# Altium PCB QAM16.PcbDoc (part 2 of 2)
Units mil, origin at the board's own origin, x right, y up, seen from the top; angles counter-clockwise.
Board outline 2913.39 x 1339.29 mil, 4 copper layers (Top Layer, MidLayer1, MidLayer2, Bottom Layer), stack 61.2 mil thick; 129 components, 99 nets, 457 pads, 177 vias.
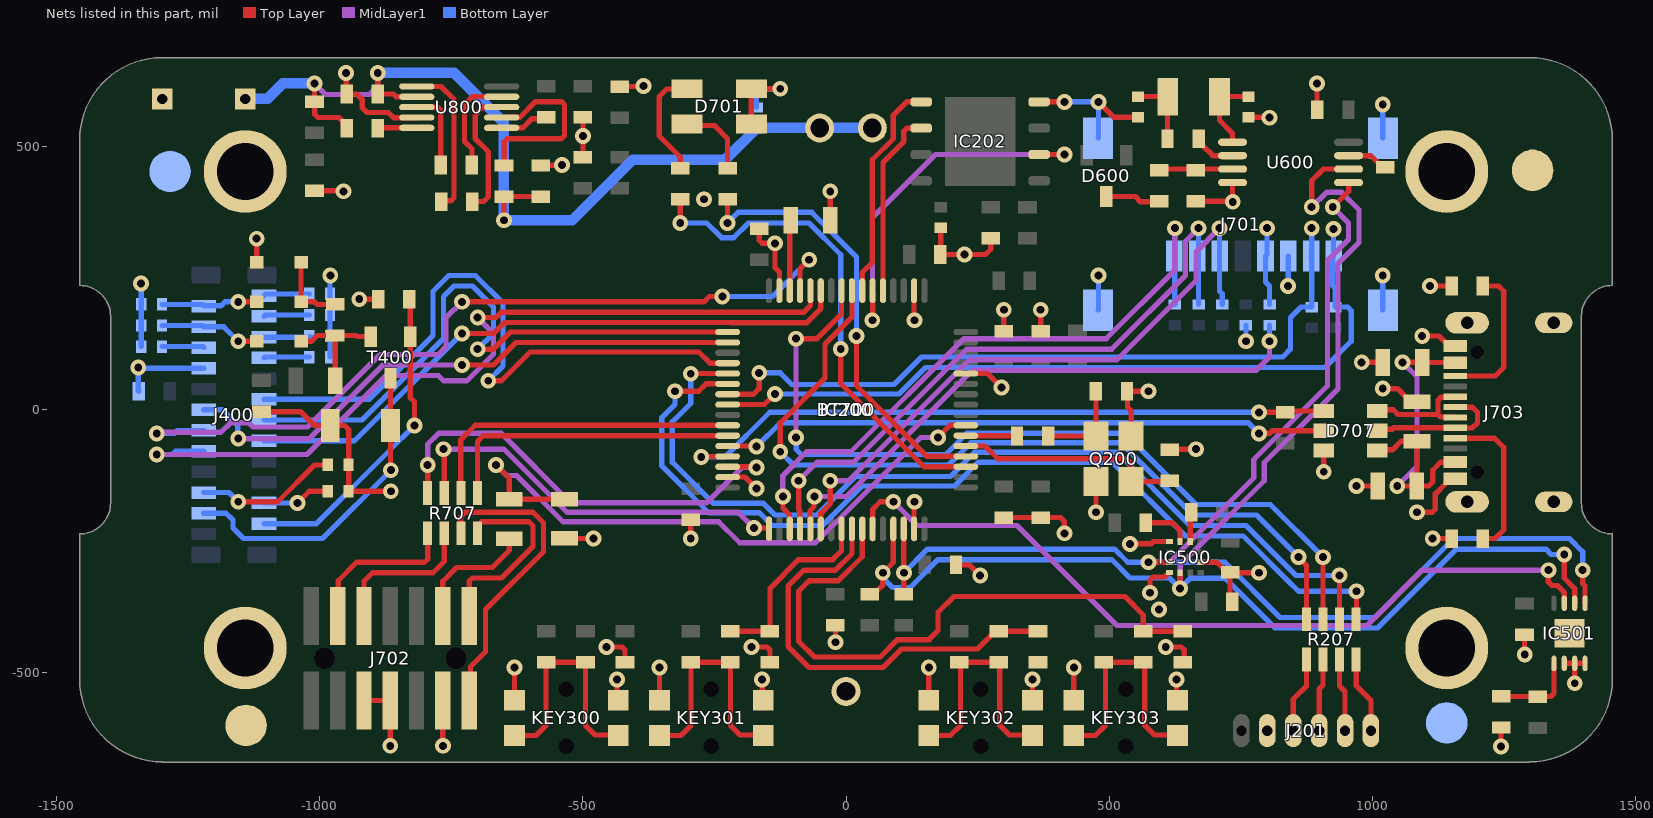
[diagram p4: the nets of this part, all layers, seen from the top]

## Via types
v1: diameter 30, hole 15, Top Layer to Bottom Layer, tented both sides, 177 vias

## Nets (pads, with @x,y where several pads share a name; then routed paths per layer and width w, separated by ;. In a path a pad name is that pad's centre, name@x,y a point inside that pad or via, vN(x,y) a via of type N, cw(c..) or ccw(c..) an arc to the next point about the centre after c; other vN are vias at no path point) (continued)
BTN2: C301.1 IC200.56 R305.2 | length 363.8
  Top Layer w10: R305.2@-220,-420.94 C301.1@-145,-420.94 -144.54,-420.48 -144.54,-339.54 -90,-285 -25.42,-285 -8.46,-268.04 IC200.56@-8.46,-226.54
BTN3: C302.1 IC200.57 R306.2 | length 829
  Top Layer w10: IC200.57@11.22,-226.54 11.22,-273.81 -19.97,-305 -80,-305 -110,-335 -110,-450 -70,-490 70,-490 72,-488 72.46,-488 105.46,-455 250.04,-455 284.09,-420.94 C302.1@365,-420.94
BTN4: C303.1 IC200.58 R307.2 | length 1152.1
  Top Layer w10: IC200.58@30.91,-226.54 30.91,-279.58 -14.4,-324.89 -69.89,-324.89 -90,-345 -90,-440 -60,-470 65,-470 98,-437 158,-437 175,-420 175,-385 205,-355 530,-355 565,-390 R307.2@565,-420.94 C303.1@640,-420.94
DISP_BUSY: IC200.28 J400.9 | length 1571.6
  Top Layer w10: v1(-700,175) -665.46,175 -655.46,185 -80.46,185 -67.52,197.94 IC200.28@-67.52,226.22
  MidLayer1 w10: v1(-1310,-85) -1024.49,-85 -874.49,65 -775,65 -765,55 -720.4,55 -670,105.4 -670,145 v1(-700,175)
  Bottom Layer w10: v1(-1310,-85) -1280,-85 -1273.74,-78.74 J400.9@-1220.47,-78.74
DISP_CS: IC200.33 J400.12 | length 1185.8
  Top Layer w10: v1(-700,115) -670,115 -637.52,147.48 IC200.33@-225,147.48
  Bottom Layer w10: J400.12@-1106.3,-19.69 -920.14,-19.69 -765,135.46 -765,215 -745,235 -710,235 -670,195 -670,145 v1(-700,115)
DISP_DC: IC200.29 J400.11 | length 1573.3
  Top Layer w10: v1(-730,205) -270,205 -260,215 v1(-235,215) ; IC200.29@-87.2,226.22 -87.2,267.8 v1(-70,285)
  MidLayer1 w10: v1(-1310,-45) -1308,-43 -1188,-43 -1170,-25 -1135,-25 -1127,-33 -1023.4,-33 -885.4,105 -775,105 -760,120 -760,175 v1(-730,205)
  Bottom Layer w10: v1(-1310,-45) -1276.26,-45 -1270.63,-39.37 J400.11@-1220.47,-39.37 ; v1(-235,215) -140,215 v1(-70,285)
DISP_RST: IC200.27 J400.10 | length 1197
  Top Layer w10: v1(-730,145) -670,145 -650,165 -645.46,165 -644.98,165.48 -217.54,165.48 -217.06,165 -75,165 -47.83,192.17 IC200.27@-47.83,226.22
  Bottom Layer w10: J400.10@-1106.3,-59.06 -934.06,-59.06 v1(-730,145)
EVENT: IC200.59 IC501.7 | length 1550.1
  Top Layer w10: IC200.59@50.59,-226.54 50.59,-189.41 65,-175 v1(90,-175) ; v1(1335,-305) 1334.76,-305.24 1334.76,-327.67 1341.39,-334.3 1351.99,-334.3 1365.16,-347.46 IC501.7@1365.16,-367.91
  MidLayer1 w10: v1(90,-175) 135,-220 325,-220 515,-410 990,-410 1095,-305 v1(1335,-305)
GDR: J400.2 R401.1 T400.1 | length 607.7
  Top Layer w10: R401.1@-830,210 -828.3,208.3 -828.3,23.3 -820,15 v1(-820,-30)
  Bottom Layer w10: J400.2@-1106.3,-216.54 -1006.54,-216.54 -867,-77 v1(-820,-30)
GND: B701.1 BT700.3 C200.2 C201.2 C202.2 C203.2 C204.2 C205.2 C206.2 C207.2 C208.2 C209.2 C210.2 C211.2 C212.2 C213.2 C300.2 C301.2 C302.2 C303.2 C400.1 C401.1 C402.1 C404.2 C405.2 C406.2 C407.2 C408.2 C409.2 C410.2 C411.2 C500.2 C501.2 C502.2 C600.2 C601.2 C602.2 C603.2 C701.2 C702.2 C703.2 C704.2 C705.2 C800.2 C802.2 C803.2 D402.1 D700.1 D701.3 D701.4 D707.6 FID100.1 FID101.1 FID102.1 FID103.1 IC200.12 IC200.18 IC200.31 IC200.47 IC200.63 IC202.4 IC500.1 IC500.4 IC500.9 IC501.2 IC501.3 IC501.4 J201.2 J400.17 J701.6 J701.9 J701.10 J701.11 J701.12 J702.5 J702.7 J702.11 J703.A1 J703.B1 J703.S1 KEY300.1 KEY301.1 KEY302.1 KEY303.1 MH100.1 MH101.1 MH102.1 MH103.1 Q200.3 R206.2 R400.1 R401.2 R505.2 R711.2 R712.2 R802.2 R806.2 U600.4 U800.9 | length 5277.3
  Top Layer w10: D402.1@-1120,280 v1(-1120,325) ; C411.2@-1110.7,-4.06 -1035.94,-4.06 -1010,-30 -981.86,-30 R400.1@-979.87,-31.98 ; R802.2@-1010,415.94 -955.94,415.94 v1(-955,415) ; R400.1@-979.87,-30 R400.1@-979.87,-30 -953.02,-29.95 -945,-37.96 -945,-105 -945,-154.37 C400.1@-945.63,-155 v1(-865,-155) ; v1(-950,640) -949.53,639.53 -949.53,600.47 C803.2@-949.06,600 -930,600 -919.53,589.53 -919.53,574.53 -910,565 -870,565 -860,555 -816.02,555 U800.9@-815.71,555.32 ; v1(-925,210) R401.2@-889.06,210 ; J702.5@-916.14,-552.56 J702.7@-866.14,-552.56 v1(-866.14,-638.86) ; v1(-766.14,-638.86) J702.11@-766.14,-552.56 ; v1(-630,-490) -629.92,-490.08 KEY300.1@-629.92,-552.4 ; C701.2@-580,464.06 -579.53,464.53 -540.47,464.53 v1(-540,465) ; C208.2@-535,-244.8 -480.2,-244.8 v1(-480,-245) ; R806.2@-500,480 v1(-500,520) C800.2@-500,555.94 ; v1(-455.37,-451.06) -425.86,-451.06 -420,-456.92 C300.2@-420,-480 ; v1(-435,-512.72) -435,-550.47 KEY300.1@-433.07,-552.4 ; C802.2@-430,614.06 -385.94,614.06 v1(-385,615) ; KEY301.1@-354.33,-552.4 v1@-354.33,-490.08 ; v1(-295,-245) C212.2@-295,-209.06 ; IC200.47@-225,-128.11 -191.89,-128.11 v1(-170,-150) ; D701.3@-180,543.07 D701.4@-180,610 v1(-125,610) ; v1(-179.78,-451.06) -150.27,-451.06 -144.41,-456.92 C301.2@-144.41,-480 ; C213.2@-165,344.06 -165,322.04 -159.14,316.19 v1(-134.89,316.19) -134.89,269.89 -126.57,261.57 IC200.31@-126.57,226.22 ; KEY301.1@-159.41,-550.47 v1(-159.41,-512.72) ; C210.2@-30.2,360 -30,360.2 v1(-30,415) ; v1@-20,-441.14 R206.2@-20,-410.43 ; IC200.63@129.33,-226.54 v1@129.33,-175.67 ; IC200.18@129.33,226.22 129.33,170.67 v1(130,170) ; KEY302.1@157.48,-552.4 v1@157.48,-490.08 ; C206.2@180,345.63 180,295.94 C201.2@179.06,295 265,295 274.99,304.99 C207.2@274.99,325.94 ; C211.2@209.06,-295 235,-295 v1(255,-315) ; IC200.12@227.76,68.74 268.96,68.74 v1(295.28,42.43) ; C200.2@300,-205 407.82,-205 415,-212.18 v1(415,-235) ; C205.2@300,149.06 v1(300,190) ; KEY302.1@354.33,-552.4 v1(354.33,-512.72) ; IC202.4@367.01,585 v1(415,585) ; C204.2@370,149.06 v1(370,190) ; KEY303.1@433.07,-552.4 v1@433.07,-490.08 ; v1(475,-195) Q200.3@475,-136.61 ; v1(480,585) 509.37,555.63 C602.2@555,555.63 ; v1(540,-255) 580,-255 584.37,-250.63 IC500.4@615,-250.63 ; Q200.3@541.93,-50 541.93,-1.93 535,5 535,34.06 C202.2@534.06,35 v1(575,35) ; v1(577.88,-348) 577.88,-323.86 583.73,-318 605.37,-318 IC500.1@613.6,-309.76 ; v1(607.62,-451.06) 637.13,-451.06 642.99,-456.92 C303.2@642.99,-480 ; C203.2@615,-75.94 615.94,-75 v1(665,-75) ; KEY303.1@627.99,-550.47 v1(627.99,-512.72) ; C601.2@665,395.94 734.06,395.94 v1@734.76,395.24 ; IC500.9@674.06,-290 705.09,-290 C500.2@717.28,-302.2 ; C500.2@717.28,-302.24 724.09,-309.06 C500.2@730,-309.06 ; C501.2@734.06,-365 730,-360.94 C500.2@730,-309.06 ; U600.4@734.76,431.61 v1@734.76,395.24 ; v1(735,395) v1@734.76,395.24 ; C603.2@765,555.63 765.16,555.63 804.37,555.63 v1(805,555) ; v1(785,-310) 730.94,-310 C500.2@730,-309.06 ; v1(895,620) 895,570.94 C600.2@895.94,570 ; v1(908.03,-118.03) D707.6@908.03,-77.4 ; v1(970,-145) C704.2@1010.2,-145 ; v1(980,90) C705.2@1020.2,90 ; v1(1020,40) 1047.99,40 1073.19,14.8 C703.2@1085,14.8 ; v1(1085,-195) 1114.14,-195 1120,-189.14 1120,-160 1140.16,-139.84 1140.16,-137.8 1146.97,-130.98 J703.A1@1157.8,-130.98 ; v1(1095,140) v1(1095,140) 1127.16,140.09 1139.46,127.8 1150.98,127.8 J703.B1@1157.8,120.98 ; v1(1110,235) R712.2@1150.94,235 ; v1(1115,-245) R711.2@1150.94,-245 ; v1(1245,-640) R505.2@1245,-604.06 ; C502.2@1289.38,-427.45 1289.38,-464.38 v1(1290,-465) ; IC501.2@1365.16,-482.09 IC501.3@1384.84,-482.09 ; v1(1385,-520) 1385,-492.09 1384.92,-492.01 1384.92,-482.17 IC501.3@1384.84,-482.09 ; IC501.4@1404.53,-482.09 IC501.3@1384.84,-482.09
  Bottom Layer w10: C402.1@-1344.06,35 -1345,35.94 v1(-1345,80) -1343.74,78.74 J400.17@-1220.47,78.74 ; v1(-1340,240) -1339.37,239.37 C407.2@-1339.37,160 C405.2@-1339.37,120 ; C404.2@-980.63,100 C406.2@-980.63,140 C408.2@-980.63,180 C410.2@-980.63,220 -980.63,254.37 v1(-980,255) ; D700.1@-170,574.37 -170,604.14 -164.14,610 v1(-125,610) ; v1(415,585) v1(480,585) 480,516.81 J701.11@479.33,516.14 ; J701.10@479.33,189.37 480,190.04 v1(480,255) ; v1(760,130) C702.2@760,160.63 ; v1(840,235) 840.55,235.55 J701.6@840.55,291.73 ; v1(1020,255) 1020,190.04 J701.9@1020.67,189.37 ; v1(1020,580) 1020,516.81 J701.12@1020.67,516.14
  other v1: -354.41,-490 157.4,-490 432.99,-490 -20,-442 595,-380 130,-175 225,295 -270,400
I2C1_SCL: IC200.61 IC500.12 IC501.6 R200.2 U600.6 | length 2859.7
  Top Layer w10: R200.2@45,-350.94 51.81,-344.13 58.85,-344.13 70,-332.98 v1(70,-310) ; v1@66.72,-313.28 89.96,-290.04 IC200.61@89.96,-226.54 ; IC500.12@634.69,-309.69 634.69,-339.69 v1(635,-340) ; v1(885,385) 885,435 907.2,457.2 U600.6@955.24,457.2 ; v1(1365,-275) 1365,-320 1384.84,-339.84 IC501.6@1384.84,-367.91
  MidLayer1 w10: v1(635,-340) 635,-295.05 795,-135.05 795,-100.4 935,39.6 935,277.75 975,317.75 975,380 942,413 913,413 v1(885,385)
  Bottom Layer w10: v1(70,-310) 73.83,-313.83 73.83,-323.42 88.4,-338 122,-338 175,-285 504.95,-285 539.95,-320 615,-320 v1(635,-340) 654.87,-320.13 720.13,-320.13 815,-415 1010.46,-415 1160.46,-265 1330,-265 1340,-275 v1(1365,-275)
I2C1_SDA: IC200.62 IC500.2 IC501.5 R201.2 U600.5 | length 2626.3
  Top Layer w10: v1@109.65,-310 IC200.62@109.65,-226.54 ; R201.2@110,-350.94 v1(110,-310) ; v1(575,-290) IC500.2@615,-290 ; v1(925,385) 955.24,415.24 U600.5@955.24,431.61 ; v1(1400,-305) 1400,-330 1404.53,-334.53 IC501.5@1404.53,-367.91
  MidLayer1 w10: v1(575,-290) 614.6,-290 775,-129.6 775,-94.6 915,45.4 915,283.2 955,323.2 955,355 v1(925,385)
  Bottom Layer w10: v1(110,-310) 155,-265 510.4,-265 535.4,-290 v1(575,-290) 720,-290 825,-395 1005,-395 1155,-245 1375,-245 1400,-270 v1(1400,-305)
LED1: IC200.3 R710.1 | length 946.2
  Top Layer w10: v1(-315,355) R710.1@-315,400 ; v1(-10,115.4) -10,49.95 148.37,-108.43 IC200.3@227.76,-108.43
  Bottom Layer w10: v1(-315,355) -264.6,355 -236.6,327 -213.4,327 -185.4,355 -70.46,355 -10,294.54 v1(-10,115.4)
LED2: IC200.4 R709.1 | length 841.4
  Top Layer w10: v1(-225,355) R709.1@-225,400 ; v1(20,140) 20,45.4 154.14,-88.74 IC200.4@227.76,-88.74
  Bottom Layer w10: v1(-225,355) -205,375 -65,375 20,290 v1(20,140)
NetC202_1: C202.1 Q200.1 R202.2 | length 175.9
  Top Layer w10: R202.2@384.06,-50 Q200.1@475,-50 C202.1@475,35
NetC210_1: C210.1 IC200.30 | length 134.6
  Top Layer w10: IC200.30@-106.89,226.22 -106.89,358.11 C210.1@-105,360
NetC400_2: C400.2 J400.4 | length 130.5
  Top Layer w10: v1(-1042.17,-177.17) -1020,-155 C400.2@-985,-155
  Bottom Layer w10: J400.4@-1106.3,-177.17 v1(-1042.17,-177.17)
NetC401_2: C401.2 J400.5 | length 271.7
  Top Layer w10: v1(-1155,-175) -1080,-175 -1010,-105 C401.2@-985,-105
  Bottom Layer w10: J400.5@-1220.47,-157.48 -1172.52,-157.48 v1(-1155,-175)
NetC403_1: C403.1 D400.3 L400.2 T400.2 | length 224
  Top Layer w10: D400.3@-1035.7,130 -1015.86,130 -1004.91,140.94 C403.1@-970.7,140.94 ; L400.2@-970.7,55 C403.1@-970.7,140.94 ; T400.2@-903.1,138.74 -903.42,139.06 -929.06,139.06 -930.94,140.94 C403.1@-970.7,140.94
NetC403_2: C403.2 D401.1 D402.3 | length 142.1
  Top Layer w10: D402.3@-1035.7,280 D401.1@-1035.7,205 -1010,205 -1005,200 C403.2@-970.7,200
NetC404_1: C404.1 J400.18 | length 87
  Bottom Layer w10: J400.18@-1106.3,98.43 -1104.72,100 C404.1@-1020,100
NetC405_1: C405.1 J400.19 | length 80.5
  Bottom Layer w10: C405.1@-1300,120 -1300,120.16 -1222.52,120.16 J400.19@-1220.47,118.11
NetC406_1: C406.1 J400.20 | length 91.2
  Bottom Layer w10: J400.20@-1106.3,137.8 C406.1@-1015.06,137.8
NetC408_1: C408.1 J400.22 | length 87.5
  Bottom Layer w10: J400.22@-1106.3,177.17 -1103.46,180 C408.1@-1020,180
NetC410_1: C410.1 J400.24 | length 87.7
  Bottom Layer w10: J400.24@-1106.3,216.54 -1102.83,220 C410.1@-1020,220
NetC601_1: C601.1 R601.1 U600.3 | length 140.7
  Top Layer w10: R601.1@595,455 597.2,457.2 U600.3@734.76,457.2
NetC602_1: C602.1 Q600.1 R602.2 | length 136.8
  Top Layer w10: C602.1@555,595 Q600.1@611.57,595 610.94,594.37 R602.2@610.94,515
NetC804_1: C804.1 U800.4 | length 197.9
  Top Layer w10: C804.1@-710.94,465 -710.94,495.94 -725,510 -725,580 -710,595 -654.61,595 U800.4@-654.29,594.69
NetC804_2: C804.2 U800.8 | length 152.3
  Top Layer w10: U800.8@-815.71,575 -775.86,575 -770,569.14 C804.2@-770,465
NetC805_1: C805.1 U800.6 | length 295.3
  Top Layer w10: U800.6@-815.71,614.37 -769.37,614.37 -745,590 -745,402.76 -750.86,396.9 -767.16,396.9 C805.1@-769.06,395
NetC805_2: C805.2 U800.3 | length 256.5
  Top Layer w10: C805.2@-710,395 -709.52,395.48 -689.05,395.48 -680,404.53 -680,490.46 -704.77,515.23 -704.77,560.23 -690.35,574.65 -654.64,574.65 U800.3@-654.29,575
NetD600_3: D600.3 R601.2 | length 104.5
  Top Layer w10: D600.3@495,405 550,405 560,395 594.06,395 R601.2@595,395.94
NetD701_1: D701.1 R709.2 | length 144.6
  Top Layer w10: D701.1@-302.05,543.07 -298.98,540 -250,540 -225,515 R709.2@-225,459.06
NetD701_2: D701.2 R710.2 | length 211.7
  Top Layer w10: R710.2@-315.01,459.06 -315.01,480.01 -355,520 -355,595 -340.72,609.28 -302.76,609.28 D701.2@-302.05,610
NetD707_2: D707.2 J703.A7 J703.B7 | length 262.9
  Top Layer w10: D707.2@1010,-40 1013.04,-36.96 1038.63,-36.96 1041.06,-34.53 J703.B7@1157.8,-34.53 1158.27,-35 1190,-35 1200,-25 1200,-5 1190.16,4.84 J703.A7@1157.8,4.84
NetD707_3: D707.3 J703.A6 J703.B6 | length 217.6
  Top Layer w10: D707.3@1010,-2.6 1012.6,0 1040,0 1049.14,-9.14 1125,-9.14 ; J703.A6@1157.8,-14.84 1156.89,-13.94 1129.79,-13.94 1125,-9.14 ; J703.B6@1157.8,24.53 1157.05,23.78 1130.86,23.78 1125,17.93 1125,-9.14
NetIC500_5: IC500.5 R501.2 | length 91.7
  Top Layer w10: R501.2@570,-215 620,-215 634.69,-229.69 IC500.5@634.69,-250.63
NetIC500_6: IC500.6 R500.2 | length 56.3
  Top Layer w10: IC500.6@654.37,-250.63 654.37,-196.57 R500.2@655.94,-195
NetIC501_1: IC501.1 R502.2 R505.1 | length 160
  Top Layer w10: R505.1@1245,-545 1339.61,-545 1345.47,-539.14 IC501.1@1345.47,-482.09
NetJ201_3: J201.3 R207.7 | length 145.4
  Top Layer w10: J201.3@850,-610 850,-550 875,-525 R207.7@875,-475
NetJ201_4: J201.4 R207.5 | length 138
  Top Layer w10: J201.4@899.21,-610 899.21,-530.79 906.5,-523.5 R207.5@906.5,-475
NetJ201_5: J201.5 R207.3 | length 139.3
  Top Layer w10: R207.3@937.99,-475 937.99,-525 948.43,-535.43 J201.5@948.43,-610
NetJ201_6: J201.6 R207.1 | length 146.7
  Top Layer w10: R207.1@969.49,-475 969.49,-524.49 997.64,-552.64 J201.6@997.64,-610
NetJ701_5: J701.5 R705.1 | length 149.4
  Bottom Layer w10: v1(800,345) 800,294.49 J701.5@797.24,291.73 797.24,242.76 805,235 R705.1@805,200
NetJ702_4: J702.4 R707.7 | length 303.9
  Top Layer w10: J702.4@-966.14,-392.32 -965,-391.18 -965,-325 -930,-290 -800.86,-290 -795,-284.14 R707.7@-795,-235
NetJ702_6: J702.6 R707.5 | length 287.9
  Top Layer w10: J702.6@-916.14,-392.32 -916.14,-326.14 -900,-310 -785,-310 -763.5,-288.5 R707.5@-763.5,-235
NetJ702_12: J702.12 R706.2 | length 239.2
  Top Layer w10: J702.12@-766.14,-392.32 -766.14,-326.14 -740,-300 -672.4,-300 -640,-267.6 R706.2@-640,-245
NetJ702_13: J702.13 R707.3 | length 596.5
  Top Layer w10: R707.3@-732.01,-235 -732.01,-203.14 -723.87,-195 -595,-195 -575,-215 -575,-270 -685,-380 -685,-460 -713.5,-488.5 -713.5,-549.91 J702.13@-716.14,-552.56
NetJ702_14: J702.14 R707.1 | length 380.3
  Top Layer w10: J702.14@-716.14,-392.32 -716.14,-325.86 -710.28,-320 -655,-320 -595,-260 -595,-220.46 -602.46,-213 -692.49,-213 -700.51,-221.02 R707.1@-700.51,-235
NetJ703_A5: J703.A5 R711.1 | length 303
  Top Layer w10: J703.A5@1157.8,-54.21 1232.58,-54.21 1250,-71.63 1250,-228.37 1233.37,-245 R711.1@1210,-245
NetJ703_B5: J703.B5 R712.1 | length 288
  Top Layer w10: J703.B5@1157.8,63.9 1233.9,63.9 1250,80 1250,225 1240,235 R712.1@1210,235
NetKEY300_2: KEY300.2 R300.2 R304.1 | length 452.9
  Top Layer w10: KEY300.2@-629.92,-619.33 -589.33,-619.33 -570,-600 R300.2@-570,-480 R304.1@-495,-480 -495,-600 -476.9,-618.1 -434.3,-618.1 KEY300.2@-433.07,-619.33
NetKEY301_2: KEY301.2 R301.2 R305.1 | length 451.1
  Top Layer w10: KEY301.2@-354.33,-619.33 -313.74,-619.33 -294.41,-600 -294.41,-480 -219.41,-480 -219.41,-600 -201.31,-618.1 KEY301.2@-158.71,-618.1
NetKEY302_2: KEY302.2 R302.2 R306.1 | length 451.1
  Top Layer w10: KEY302.2@157.48,-619.33 198.07,-619.33 217.4,-600 217.4,-480 292.4,-480 292.4,-600 310.5,-618.1 KEY302.2@353.1,-618.1
NetKEY303_2: KEY303.2 R303.2 R307.1 | length 451.1
  Top Layer w10: KEY303.2@433.07,-619.33 473.66,-619.33 492.99,-600 492.99,-480 567.99,-480 567.99,-600 586.09,-618.1 KEY303.2@628.69,-618.1
NetR600_2: R600.2 U600.7 | length 78.8
  Top Layer w10: U600.7@955.24,482.8 997.24,482.8 1019.09,460.94 R600.2@1025,460.94
NetR801_2: R801.2 U800.1 | length 92.7
  Top Layer w10: U800.1@-654.29,535.63 -614.37,535.63 -596.86,553.14 -572.8,553.14 R801.2@-570,555.94
NetR804_2: R804.2 U800.2 | length 359
  Top Layer w10: U800.2@-654.29,555.31 -653.94,555.66 -619.79,555.66 -589.98,585.47 -540.86,585.47 -535,579.61 -535,520.86 -540.86,515 -643.75,515 -649.61,509.14 R804.2@-649.61,462.6
NetR805_2: R805.2 U800.10 | length 74.6
  Top Layer w10: R805.2@-890,535 -889.37,535.63 U800.10@-815.71,535.63
NRST: C208.1 IC200.7 R706.1 | length 1237.5
  Top Layer w10: v1(-665,-105) -640,-130 R706.1@-640,-170.2 -535.2,-170.2 C208.1@-535,-170 C208.1@-525,-170 ; v1(175,-53) 175,-52.54 197.86,-29.68 IC200.7@227.76,-29.68
  MidLayer1 w10: v1(-665,-105) -645,-125 -625.91,-125 -537.91,-213 -242,-213 -202,-253 -58,-253 142,-53 v1(175,-53)
OSC_IN: C203.1 IC200.5 Q200.2 | length 436.2
  Top Layer w10: IC200.5@227.76,-69.06 264.06,-69.06 288.31,-93.31 533.31,-93.31 540,-100 540,-134.68 Q200.2@541.93,-136.61 613.39,-136.61 C203.1@615,-135
OSC_OUT: IC200.6 R202.1 | length 96.6
  Top Layer w10: IC200.6@227.76,-49.37 R202.1@324.37,-49.37
PREVGH: C407.1 D400.1 J400.21 | length 192.6
  Top Layer w10: v1(-1155,130) D400.1@-1120,130
  Bottom Layer w10: C407.1@-1300,160 -1300,160.16 -1223.15,160.16 J400.21@-1220.47,157.48 -1182.48,157.48 v1(-1155,130)
PREVGL: C409.1 D401.3 J400.23 | length 184.3
  Top Layer w10: v1(-1155,205) D401.3@-1120,205
  Bottom Layer w10: C409.1@-1300,200 -1222.74,200 -1220.03,197.29 -1187.71,197.29 -1180,205 v1(-1155,205)
RESE: J400.3 R400.2 T400.3 | length 613.3
  Top Layer w10: T400.3@-865.7,60 -865.7,-114.3 v1(-865,-115)
  Bottom Layer w10: J400.3@-1220.47,-196.85 -1178.15,-196.85 -1165,-210 -1165,-225 -1145,-245 -995,-245 v1(-865,-115)
SDIO_CK: IC200.53 R705.2 | length 1100.8
  Top Layer w10: IC200.53@-67.52,-226.54 -67.87,-226.19 -67.87,-207.19 -68.39,-206.67 -68.39,-192.1 -60.64,-184.36 -60.64,-165.64 v1(-60,-165)
  MidLayer1 w10: v1(-60,-165) 0.46,-165 240.58,75.12 780.12,75.12 805,100 v1(805,130)
  Bottom Layer w10: v1(805,130) R705.2@805,160.63
SDIO_CMD: IC200.54 J701.3 R704.2 | length 1216.2
  Top Layer w10: IC200.54@-47.83,-226.54 -47.83,-197.01 -30,-179.17 v1(-30,-135)
  MidLayer1 w10: v1@-29.14,-135 5,-135 234.97,94.97 514.97,94.97 665,245 665,300 v1(710,345)
  Bottom Layer w10: v1(710,345) 710,225.31 715,220.31 R704.2@715,200
SDIO_D0: IC200.39 J701.7 R700.2 | length 1400.5
  Top Layer w10: IC200.39@-225,29.37 -175.63,29.37 -165,40 v1(-165,70)
  Bottom Layer w10: v1(-165,70) -125,70 -103,48 91.31,48 143.31,100 830,100 844.99,114.99 844.99,174.99 865,195 R700.2@885,195 885,290.59 J701.7@883.86,291.73 885,292.87 v1(885,345)
SDIO_D1: IC200.40 J701.8 R701.2 | length 1477.4
  Top Layer w10: IC200.40@-225,9.69 -155.31,9.69 v1(-135,30)
  Bottom Layer w10: v1(-135,30) 100.87,30 150.87,80 910,80 960,130 960,188.6 953.6,195 R701.2@930,195 930,230 925,235 925,291.16 926.37,292.53 v1(926.37,343.63)
SDIO_D2: IC200.51 J701.1 R702.2 | length 1238.7
  Top Layer w10: v1(-120,-165) -119.76,-165.24 -119.76,-187.19 -107.24,-199.72 -107.24,-226.19 IC200.51@-106.89,-226.54
  MidLayer1 w10: v1(-120,-165) -120,-125 -75,-80 9.09,-80 224.09,135 494.69,135 625,265.31 v1(625,345)
  Bottom Layer w10: R702.2@625,200 625,291.8 624.54,292.25 624.54,344.54 v1(625,345)
SDIO_D3: IC200.52 J701.2 R703.2 | length 1234.6
  Top Layer w10: v1(-90,-135) -90,-189.54 -87.2,-192.34 IC200.52@-87.2,-226.54
  MidLayer1 w10: v1(-90,-135) -55,-100 14.54,-100 229.54,115 505,115 645,255 645,320 v1(670,345)
  Bottom Layer w10: R703.2@670,200 v1(670,345)
SOSCI: C603.1 Q600.2 U600.1 | length 151.9
  Top Layer w10: U600.1@734.76,508.39 734.76,525.24 710,550 Q600.2@710,595 C603.1@765,595
SOSCO: R602.1 U600.2 | length 81.6
  Top Layer w10: R602.1@670,515 670,509.09 676.81,502.28 677.72,502.28 697.2,482.8 U600.2@734.76,482.8
SPI1_MISO: IC200.22 IC202.2 | length 714.2
  Top Layer w10: v1(50,170) 50.59,170.59 IC200.22@50.59,226.22 ; IC202.2@367.01,485 v1(415,485)
  MidLayer1 w10: v1(50,170) 50.3,170.3 50.3,365.3 170,485 v1(415,485)
SPI1_MOSI: IC200.23 IC202.5 | length 421.6
  Top Layer w10: IC200.23@30.91,226.22 30.91,260.91 50,280 50,475 90,515 90,560 115,585 IC202.5@142.99,585
SPI1_SCK: IC200.21 IC202.6 | length 354.8
  Top Layer w10: IC200.21@70.28,226.22 70.28,469.82 110,509.54 110,529.14 115.86,535 IC202.6@142.99,535
SPI2_MOSI: IC200.36 J400.14 | length 1268.4
  Top Layer w10: v1(-680,55) -655,55 -600.2,109.8 -279.8,109.8 -258.43,88.43 IC200.36@-225,88.43
  Bottom Layer w10: J400.14@-1106.3,19.69 -906.23,19.69 -785,140.91 -785,225 -755,255 -704.54,255 -652,202.46 -652,83 v1(-680,55)
SPI2_SCK: IC200.34 J400.13 | length 1108.6
  Top Layer w10: v1(-730,85) -670,85 -627.2,127.8 IC200.34@-225,127.8
  MidLayer1 w10: v1(-1155,-55) -1019.95,-55 -879.95,85 v1(-730,85)
  Bottom Layer w10: J400.13@-1220.47,0 -1185,0 -1156.21,-28.79 -1156.21,-53.79 v1(-1155,-55)
SWCLK: IC200.49 R707.6 | length 765.8
  Top Layer w10: v1(-765,-75) -763.5,-76.5 R707.6@-763.5,-158.23 ; v1(-175,-225) -147.1,-225 -146.26,-225.84 IC200.49@-146.26,-226.54
  MidLayer1 w10: v1(-765,-75) -650.46,-75 -530.46,-195 -205,-195 v1(-175,-225)
SWDIO: IC200.46 R707.8 | length 864.4
  Top Layer w10: R707.8@-795,-158.23 v1(-795,-105) ; IC200.46@-225,-108.43 -171.57,-108.43 v1(-170,-110)
  MidLayer1 w10: v1(-795,-105) -795,-65.4 -774.6,-45 -655,-45 -523,-177 -265,-177 -198,-110 v1(-170,-110)
TP5: IC200.24 R207.8 | length 1589.7
  Top Layer w10: v1(-125,-80) -125,-25 -40,60 -40,125 11.22,176.22 IC200.24@11.22,226.22 ; v1(860,-280) 860,-280.86 875,-295.86 R207.8@875,-398.23
  Bottom Layer w10: v1(-125,-80) -100,-105 195.05,-105 237.05,-63 522.54,-63 659.54,-200 780,-200 v1(860,-280)
TP6: IC200.25 R207.6 | length 1597.9
  Top Layer w10: v1(-95,135) -55.46,135 -8.46,181.99 IC200.25@-8.46,226.22 ; R207.6@906.5,-398.23 906.55,-398.17 v1(906.55,-280.25)
  MidLayer1 w10: v1(-95,-53) v1(-95,135)
  Bottom Layer w10: v1(-95,-53) -94.79,-53.21 -94.79,-75.21 -85,-85 189.6,-85 229.6,-45 530,-45 665,-180 806.31,-180 v1(906.55,-280.25)
USART1_RX: IC200.43 R707.2 | length 577.8
  Top Layer w10: R707.2@-700.51,-158.23 -700.51,-60.51 -689.37,-49.37 IC200.43@-225,-49.37
USART1_TX: IC200.42 R707.4 | length 619.5
  Top Layer w10: R707.4@-732.01,-158.23 -732.01,-57.01 -704.68,-29.68 IC200.42@-225,-29.68
USART6_RX: IC200.38 R207.2 | length 1829.6
  Top Layer w10: v1(-325,35) -280,35 -265.94,49.06 IC200.38@-225,49.06 ; R207.2@969.49,-398.23 970,-397.72 v1(970,-345)
  Bottom Layer w10: v1(-325,35) -325,10 -350,-15 -350,-106.95 -260.95,-196 -164.4,-196 -140.4,-220 -45,-220 30.17,-144.83 206.14,-144.83 250.97,-100 505,-100 645,-240 754.95,-240 847.95,-333 848,-333 860,-345 v1(970,-345)
USART6_TX: IC200.37 R207.4 | length 1791.9
  Top Layer w10: v1(-295.05,68.22) -294.53,68.74 IC200.37@-225,68.74 ; v1(937.82,-314.84) 937.99,-315.01 R207.4@937.99,-398.23
  Bottom Layer w10: v1(-295.05,68.22) -295.05,11.95 -330,-23 -330,-100 -252,-178 -156.95,-178 -134.95,-200 -55,-200 18.17,-126.83 198.68,-126.83 244.51,-81 515.09,-81 654.09,-220 760.4,-220 855.4,-315 937.66,-315 v1(937.82,-314.84)
USB_D+: D707.4 IC200.45 R708.2 | length 1269.8
  Top Layer w10: v1(-275,-90) -273.79,-88.79 -225.05,-88.79 IC200.45@-225,-88.74 ; v1(785,-5) R708.2@835,-5 837.4,-2.6 D707.4@908.03,-2.6
  Bottom Layer w10: v1(-275,-90) -230,-90 -145,-5 v1(785,-5)
USB_D-: D707.5 IC200.44 | length 1162.4
  Top Layer w10: IC200.44@-225,-69.06 -170.94,-69.06 v1(-170,-70) ; v1(785,-45) 805,-45 810,-40 D707.5@908.03,-40
  Bottom Layer w10: v1(-170,-70) -125,-25 765,-25 v1(785,-45)
VBAT: B700.1 BT700.1 BT700.2 C701.1 C803.1 D700.2 R800.1 R804.1 R805.1 U800.7 | length 1911
  Top Layer w10: v1(-1010,620) R800.1@-1010,585 -1009.59,584.59 -1009.59,561.33 -1003.74,555.47 -963.45,555.47 -955.87,547.89 -955.87,541.81 R805.1@-949.06,535 ; v1(-890,640) C803.1@-890,600 -860,600 -854.68,594.69 U800.7@-815.71,594.69 ; v1(-650,360) -650,396.73 -643.19,403.54 R804.1@-640,403.54 ; R804.1@-650,405 C701.1@-580,405
  MidLayer1 w10: v1(-1010,620) -989.19,599.19 -905.85,599.19 -890,615.04 v1(-890,640)
  Bottom Layer w10: D700.2@-170,535 D700.2@-169.57,535.43
  Bottom Layer w20: B700.1@-1141.73,590.55 -1099.45,590.55 -1070,620 v1(-1010,620) ; v1(-890,640) -745,640 -650,545 v1(-650,360) -520,360 -405,475 -230,475 D700.2@-170,535 ; D700.2@-169.57,535.43 BT700.1@-50,535.43 BT700.2@50,535.43
VBUS: C703.1 C704.1 C705.1 D707.1 J703.A4 J703.B4 | length 660.2
  Top Layer w10: D707.1@1010,-77.4 1011.03,-76.37 1038.63,-76.37 1055,-60 C703.1@1085,-60 C704.1@1085,-133.49 ; v1(1047.6,-145) C704.1@1085,-145 1107.6,-145 1115,-137.6 1115,-115 1130,-100 1157.28,-100 J703.A4@1157.8,-99.49 ; v1(1057.6,90) C705.1@1095,90 1095.51,89.49 J703.B4@1157.8,89.49
  MidLayer1 w10: v1(1047.6,-145) 1085,-107.6 1085,62.6 v1(1057.6,90)
pads on no net: D600.2 IC200.2 IC200.8 IC200.9 IC200.10 IC200.11 IC200.26 IC200.35 IC200.41 IC200.50 IC202.0 IC500.3 IC500.8 IC500.11 J400.1 J400.6 J400.7 J400.MF J702. J702.1 J702.2 J702.8 J702.9 J702.10 J703.A8 J703.B8 J703.None KEY300.MH KEY301.MH KEY302.MH KEY303.MH

## Polygon pours and split planes (outlines as drawn)
GND on MidLayer2 "Mid Layer 2-GND" (solid, remove dead copper, pour order 0): -1456.69,669.29 -1456.69,-708.66 1456.69,-708.66 1456.69,669.29
+3V3 on MidLayer1 "Mid Layer 1-+3V3" (solid, remove dead copper, pour order 1): -1456.69,669.29 -1456.69,-708.66 1456.69,-708.66 1456.69,669.29
GND on Bottom Layer "Bottom Layer-GND" (solid, remove dead copper, pour order 2): -1456.69,669.29 -1456.69,-708.66 1456.69,-708.66 1456.69,669.29
GND on Top Layer "Top Layer-GND" (solid, remove dead copper, pour order 3): -1456.69,669.29 -1456.69,-708.66 1456.69,-708.66 1456.69,669.29

## Keep-outs
Keep-Out Layer:
  lines w10: 1298.5,-670 980,-670 555.12,-670 -1298.5,-670 -1299.21,-669.29 cw(c-1299.21,-511.81) -1456.69,-511.81 -1456.69,-236.22 ccw(c-1456.69,-177.17) -1397.64,-177.17 -1397.64,177.17 ccw(c-1456.69,177.17) -1456.69,236.22 -1456.69,511.81 cw(c-1299.21,511.81) -1299.21,669.29 1299.21,669.29 cw(c1299.21,511.81) 1456.69,511.81 1456.69,495.3 1456.69,346.46 1456.69,236.22 ccw(c1456.69,177.17) 1397.64,177.17 1397.64,-177.17 ccw(c1456.69,-177.17) 1456.69,-236.22 1456.69,-346.46 1456.69,-511.81 cw(c1299.21,-511.81) 1299.21,-669.29

## Other copper
Bottom Layer:
  text ".PCB_Nummer" at -1375,-250 h30 r90

## Silkscreen, mask and mechanical layers (free items; w line width, h text height)
Top Overlay:
  lines w3.94: 4251.97,2834.65 6929.13,2834.65 ; 4251.97,2637.8 6929.13,2637.8 6929.13,3031.5 4251.97,3031.5 4251.97,2637.8
  text "VARIANT:" at 4330.71,2913.39 h15
  text ".VariantName" at 4842.52,2913.39 h15
  text "DESCRIPTION:" at 4330.71,2716.54 h15
  text ".VariantDescription" at 5039.37,2716.54 h15
Bottom Overlay:
  lines w3.94: 4251.97,2834.65 6929.13,2834.65 ; 4251.97,2637.8 4251.97,3031.5 6929.13,3031.5 6929.13,2637.8 4251.97,2637.8
  text ".VariantName" at 6338.58,2913.39 h60
  text "VARIANT:" at 6850.39,2913.39 h60
  text ".VariantDescription" at 6141.73,2716.54 h60
  text "DESCRIPTION:" at 6850.39,2716.54 h60
Mechanical 5:
  drawing of 27 lines, arcs and shapes, not listed
  text "Flash" at 168,618 h40
  text "RTC" at 803,618 h40
  text "+" at -1094.36,572.2 h40
  text "-" at -1251.84,568.72 h40
  text "CPU" at -177,423 h40
  text "Power" at -1077,333 h40
  text "Supply" at -992,271.33 h40
  text "USB" at 1263,218 h40
  text "JLCJLCJLCJLC" at 1365,-125 h20 r90
  text "IMU" at 756.03,-208.54 h40
  text "GPS-" at 783,-292 h40
  text "Stlink - V3" at -1066.8,-318.77 h40
  text "T. Sens" at 1148,-332 h40
  text "Module" at 783,-352 h40
  text "UP" at -527,-377 h40
  text "DOWN" at -292,-377 h40
  text "OK" at 258,-377 h40
  text "STOP" at 493,-377 h40
  text "12273.Transportlogger" at -1320.54,-396.54 h40 r90
  text "SWD" at -927,-492 h40
Mechanical 7:
  drawing of 13 lines, arcs and shapes, not listed
  text "Battery" at 427.63,535.7 h40
  text "Display" at -996.19,316.6 h40
  text "SD Card" at 881.76,51.31 h40
  text "CR2032 Only" at -181.23,-482.61 h40
Mechanical 16:
  lines w5: -4333.86,-2433.86 -4133.86,-2433.86 ; -4333.86,-533.86 -4133.86,-533.86 ; -4333.86,1366.14 -4133.86,1366.14 ; -1458.86,-4333.86 -1458.86,-4133.86 ; -1458.86,3066.14 -1458.86,3266.14 ; 1066.14,-4133.86 2466.14,-4133.86 ; 1416.14,-4333.86 1416.14,-4133.86 ; 1416.14,3066.14 1416.14,3266.14 ; 2466.14,-3688.86 6966.14,-3688.86 ; 2466.14,-3293.86 6966.14,-3293.86 ; 2466.14,-3103.86 6966.14,-3103.86 ; 4291.14,-4333.86 4291.14,-4133.86 ; 4291.14,3066.14 4291.14,3266.14 ; 4486.14,-4133.86 4486.14,-3688.86 ; 4791.14,-4533.86 4961.14,-4533.86 ; 5806.14,-3103.86 5806.14,-2933.86 ; 6396.14,-3293.86 6396.14,-3103.86 ; 6966.14,-2433.86 7166.14,-2433.86 ; 6966.14,-533.86 7166.14,-533.86 ; 6966.14,1366.14 7166.14,1366.14 ; 2466.14,-4133.86 6966.14,-4133.86 ; 2466.14,-4133.86 2466.14,-2933.86 3966.14,-2933.86 6966.14,-2933.86 6966.14,-4133.86 ; 6966.14,-4133.86 -4133.86,-4133.86 -4133.86,3066.14 6966.14,3066.14 6966.14,-4133.86 ; -4333.86,-4333.86 7166.14,-4333.86 7166.14,3266.14 -4333.86,3266.14 -4333.86,-4333.86
  text "1" at -2906.86,3131.14 h70
  text "2" at -46.86,3131.14 h70
  text "3" at 2833.14,3131.14 h70
  text "4" at 5703.14,3131.14 h70
  text "A" at -4258.86,2225.14 h70
  text "A" at 7041.14,2225.14 h70
  text "B" at -4258.86,333.14 h70
  text "B" at 7041.14,333.14 h70
  text "C" at -4258.86,-1576.86 h70
  text "C" at 7041.14,-1576.86 h70
  text "Byte Overflow - DIY Electronics projects" at 2635,-3055 h60
  text "Revision" at 6421.14,-3218.86 h40
  text ".Revision_V" at 6748.73,-3219.43 h40
  text "Sheet" at 2636.14,-3233.86 h60
  text ".Printout_Name" at 3011.14,-3233.86 h60
  text "elektronisch signiert" at 6476.14,-3268.86 h20
  text "D" at -4258.86,-3466.86 h70
  text "D" at 7041.14,-3466.86 h70
  text ".Project_Name" at 2641.14,-3538.86 h100
  text "Print" at 4526.14,-3853.86 h60
  text ".PCB_Nummer" at 5386.14,-3853.86 h60
  text "Designer" at 2506.14,-3873.86 h60
  text ".PCB_Designer" at 3366.14,-3878.86 h60
  text "CAD" at 4526.14,-4033.86 h60
  text ".Altium_Version" at 5386.14,-4033.86 h60
  text "Datum" at 2506.14,-4038.86 h60
  text ".Print_Date" at 3366.14,-4038.86 h60
  text "1" at -2906.86,-4268.86 h70
  text "2" at -46.86,-4268.86 h70
  text "3" at 2833.14,-4268.86 h70
  text "4" at 5703.14,-4268.86 h70
Drill Drawing:
  text "DRILLTAB:" at -4094.49,-4055.12 h60
  text ".Legend" at -3503.94,-4055.12 h60
PCB Manufacturing Information:
  lines w3.94: 4251.97,669.29 6929.13,669.29 ; 4251.97,866.14 6929.13,866.14 ; 4251.97,1062.99 6929.13,1062.99 ; 4251.97,1259.84 6929.13,1259.84 ; 4251.97,1456.69 6929.13,1456.69 ; 4251.97,1653.54 6929.13,1653.54 ; 4251.97,1850.39 6929.13,1850.39 ; 4251.97,2047.24 6929.13,2047.24 ; 4251.97,2244.09 6929.13,2244.09 ; 4251.97,2440.94 6929.13,2440.94 ; 4251.97,2637.8 6929.13,2637.8 ; 4251.97,2834.65 6929.13,2834.65 ; 5590.55,472.44 5590.55,2834.65 ; 4251.97,472.44 6929.13,472.44 6929.13,3031.5 4251.97,3031.5 4251.97,472.44
  text "PCB Manufacturing Information" at 4330.71,2913.39 h60
  text "PCB Data" at 4330.71,2716.54 h60
  text ".PCB_Data" at 5669.29,2716.54 h60
  text "PCB Thickness" at 4330.71,2519.69 h60
  text ".PCB_Thickness" at 5669.29,2519.69 h60
  text "PCB Material" at 4330.71,2322.83 h60
  text ".PCB_Material" at 5669.29,2322.83 h60
  text "PCB Layer Count" at 4330.71,2125.98 h60
  text ".PCB_Layer_Count" at 5669.29,2125.98 h60
  text "PCB Copper Thickness" at 4330.71,1929.13 h60
  text ".PCB_Copper_Thickness" at 5669.29,1929.13 h60
  text "PCB Solder Surface" at 4330.71,1732.28 h60
  text ".PCB_Solder_Surface" at 5669.29,1732.28 h60
  text "PCB Surface" at 4330.71,1535.43 h60
  text ".PCB_Surface" at 5669.29,1535.43 h60
  text "PCB Silkscreen" at 4330.71,1338.58 h60
  text ".PCB_Silkscreen" at 5669.29,1338.58 h60
  text "Stencil thickness" at 4330.71,1141.73 h60
  text ".Stencil_Thickness" at 5669.29,1141.73 h60
  text "Via Count" at 4330.71,944.88 h60
  text ".Via_Count" at 5669.29,944.88 h60
  text "Pad Count" at 4330.71,748.03 h60
  text ".Pad_Count" at 5669.29,748.03 h60
  text "PCB Controll" at 4330.71,551.18 h60
  text ".PCB_Controll" at 5669.29,551.18 h60

## Dimensions
1299.21,669.29 to 1299.21,-669.29 on Mechanical 8
-1456.69,511.81 to 1456.69,511.81 on Mechanical 8

## Text inside footprints (layer, text, board x,y; h text height)
J703: Mechanical 13 "PCB EDGE" at 1423.74,211.54 h73.82 r90